# Altium PCB LCD_Board_2.PcbDoc (part 1 of 2)
Units mm, origin at the board's own origin, x right, y up, seen from the top; angles counter-clockwise.
Board outline 96.52 x 66.04 mm, 2 copper layers (Top Layer, Bottom Layer), stack 1.569 mm thick; 78 components, 59 nets, 336 pads, 182 vias.
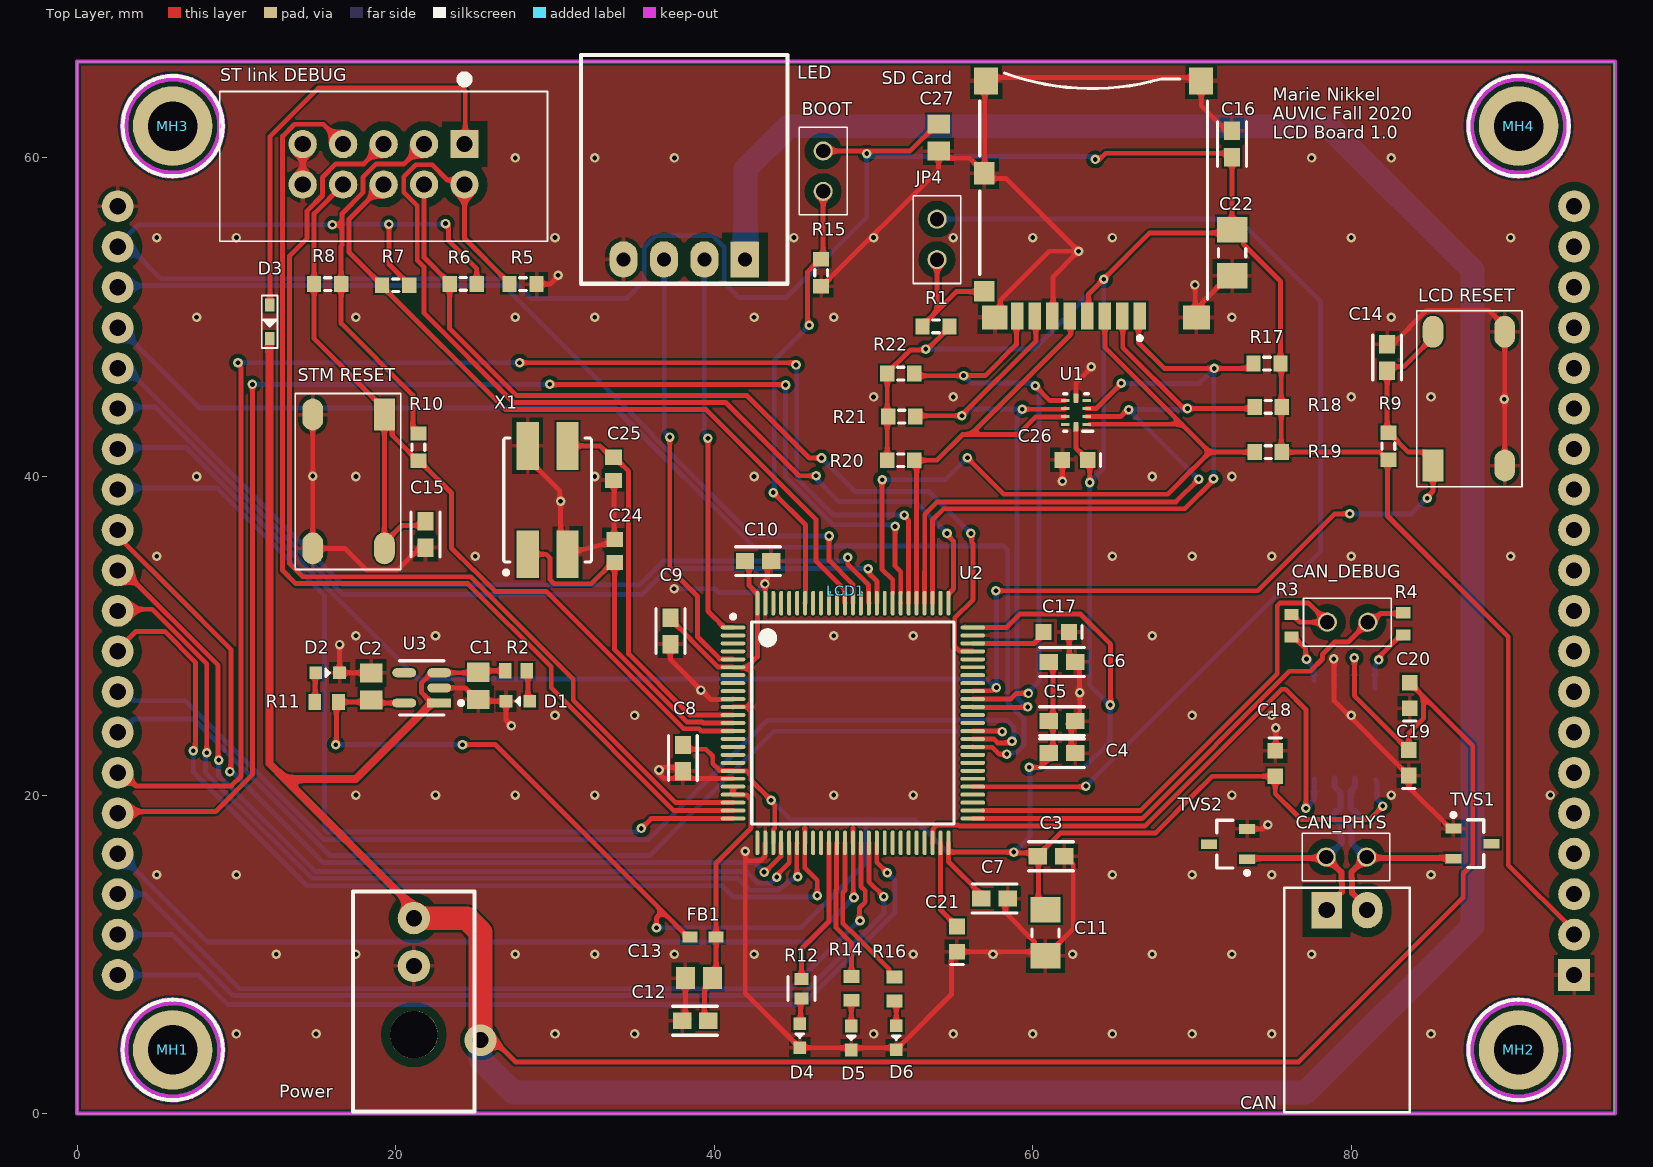
[diagram p0: Top Layer view]
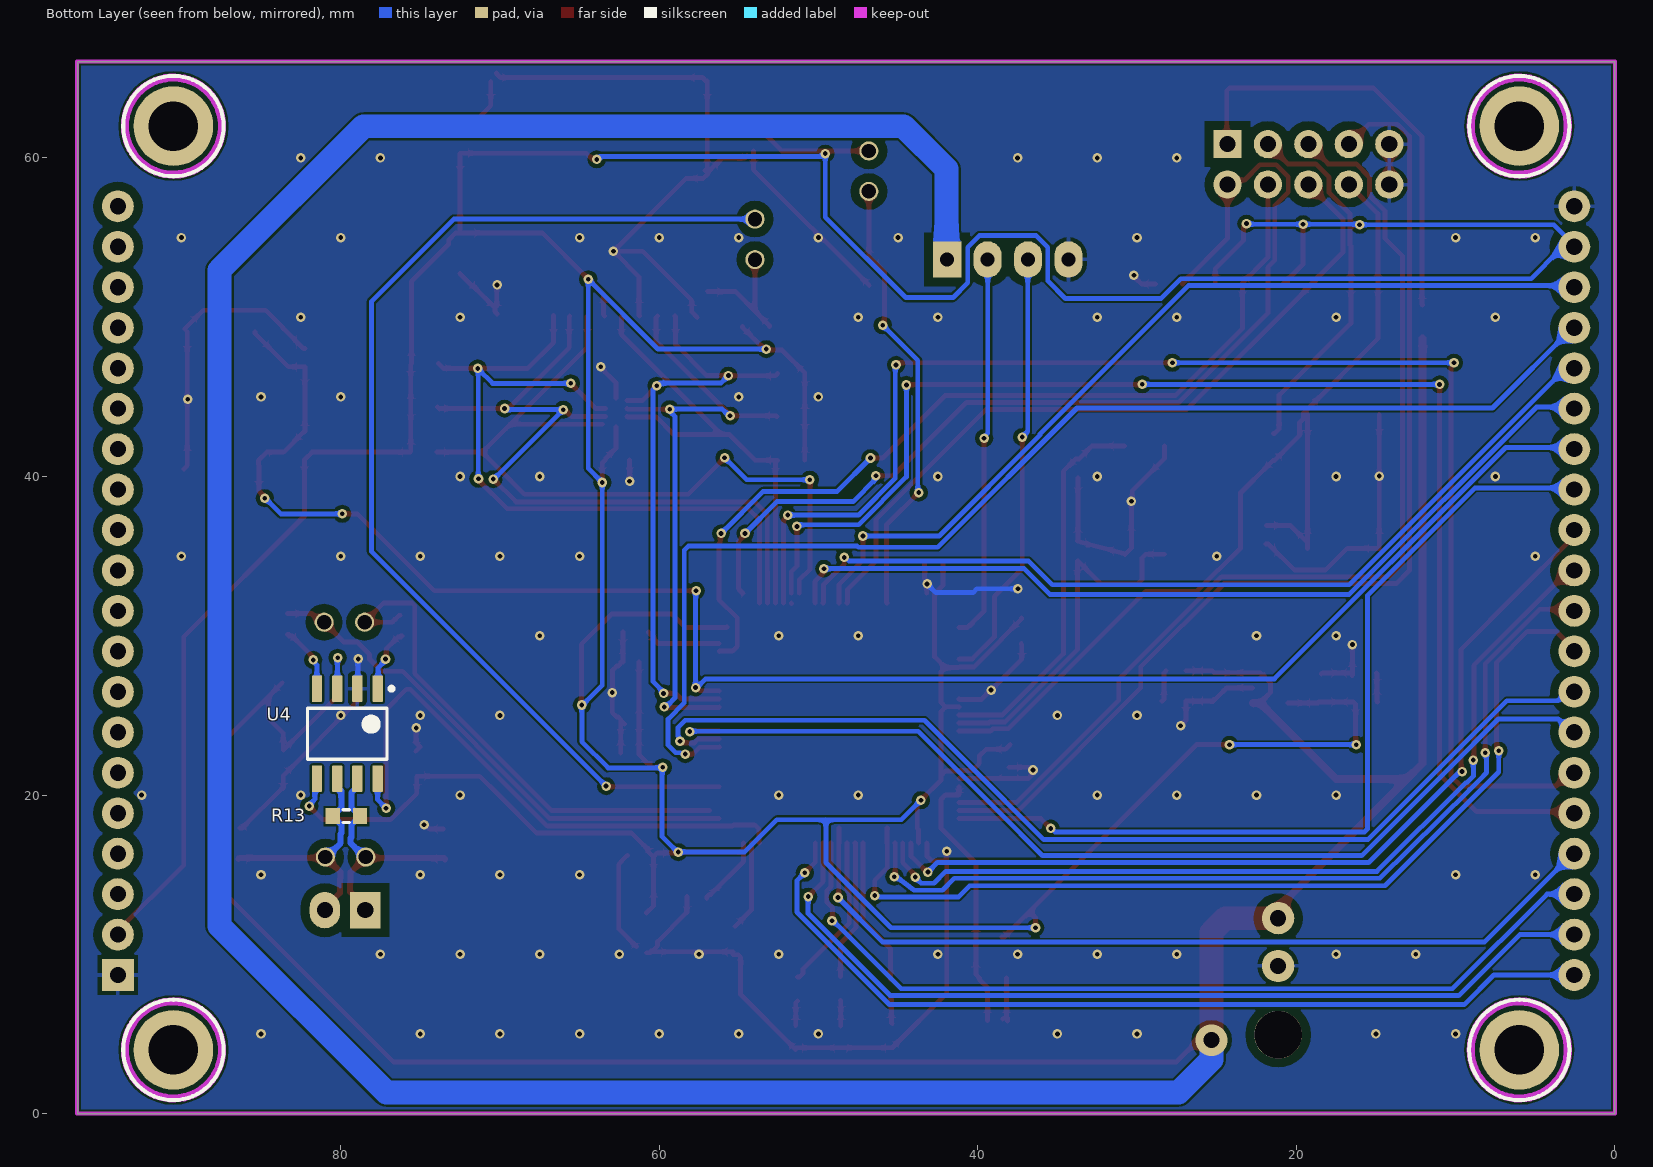
[diagram p1: Bottom Layer view, seen from below]

## Layer stack, top to bottom
Top Solder: solder mask 0.0254, SM-001, Dk 4
Top Layer: signal copper 0.035
Dielectric 1: core 1.4986, Core-043, Dk 4.3
Bottom Layer: signal copper 0.035
Bottom Solder: solder mask 0.0254, SM-001, Dk 4

## Board outline
0,0 0,66.04 96.52,66.04 96.52,0

## Design rules (kind name [scope] priority, off if disabled: settings)
Clearance [All] p1: gap=0.254 ignorepadtopadclearanceinfootprint=TRUE except(0: Arc-Hole Track-Hole SMDPad-Hole THPad-Hole Via-Hole Fill-Hole Poly-Hole Region-Hole Text-Hole; 0.127: Arc-Arc Arc-Track Arc-Fill Arc-Poly Arc-Region Track-Track Track-Fill Track-Poly Track-Region SMDPad-SMDPad SMDPad-Fill SMDPad-Poly SMDPad-Region Fill-Fill Fill-Poly Fill-Region Poly-Poly Poly-Region Region-Region; 0.2: Arc-SMDPad Arc-THPad Track-SMDPad Track-THPad; 0.54: THPad-THPad THPad-Fill THPad-Poly THPad-Region)
ComponentClearance [All] p1: gap=0.254 collisioncheckmode=3 verticalgap=0 showdistances=FALSE
DiffPairsRouting [All] p1: maxlimit=0.254 minlimit=0.254 mostfreqgap=0.254 toplayer_minwidth=0.381 toplayer_maxwidth=0.381 toplayer_prefwidth=0.381 bottomlayer_minwidth=0.381 bottomlayer_maxwidth=0.381 bottomlayer_prefwidth=0.381 substack1={F4272AB1-54B0-470A-9504-83E776850737} toplayer_{f4272ab1-54b0-470a-9504-83e776850737}_minwidth=0.381 toplayer_{f4272ab1-54b0-470a-9504-83e776850737}_maxwidth=0.381 toplayer_{f4272ab1-54b0-470a-9504-83e776850737}_prefwidth=0.381 bottomlayer_{f4272ab1-54b0-470a-9504-83e776850737}_minwidth=0.381 bottomlayer_{f4272ab1-54b0-470a-9504-83e776850737}_maxwidth=0.381 bottomlayer_{f4272ab1-54b0-470a-9504-83e776850737}_prefwidth=0.381 substack2={EA747935-8F46-47CB-AC01-D5D24FED16BF} toplayer_{ea747935-8f46-47cb-ac01-d5d24fed16bf}_minwidth=0.381 toplayer_{ea747935-8f46-47cb-ac01-d5d24fed16bf}_maxwidth=0.381 toplayer_{ea747935-8f46-47cb-ac01-d5d24fed16bf}_prefwidth=0.381 bottomlayer_{ea747935-8f46-47cb-ac01-d5d24fed16bf}_minwidth=0.381 bottomlayer_{ea747935-8f46-47cb-ac01-d5d24fed16bf}_maxwidth=0.381 bottomlayer_{ea747935-8f46-47cb-ac01-d5d24fed16bf}_prefwidth=0.381 substack3={627328DA-F39E-4214-9B17-F8342BBCFC59} toplayer_{627328da-f39e-4214-9b17-f8342bbcfc59}_minwidth=0.381 toplayer_{627328da-f39e-4214-9b17-f8342bbcfc59}_maxwidth=0.381 toplayer_{627328da-f39e-4214-9b17-f8342bbcfc59}_prefwidth=0.381 bottomlayer_{627328da-f39e-4214-9b17-f8342bbcfc59}_minwidth=0.381 bottomlayer_{627328da-f39e-4214-9b17-f8342bbcfc59}_maxwidth=0.381 bottomlayer_{627328da-f39e-4214-9b17-f8342bbcfc59}_prefwidth=0.381 substack4={10BF810F-735D-4ED9-9BE4-32E110BF4F33} toplayer_{10bf810f-735d-4ed9-9be4-32e110bf4f33}_minwidth=0.381 toplayer_{10bf810f-735d-4ed9-9be4-32e110bf4f33}_maxwidth=0.381 toplayer_{10bf810f-735d-4ed9-9be4-32e110bf4f33}_prefwidth=0.381 bottomlayer_{10bf810f-735d-4ed9-9be4-32e110bf4f33}_minwidth=0.381 bottomlayer_{10bf810f-735d-4ed9-9be4-32e110bf4f33}_maxwidth=0.381 bottomlayer_{10bf810f-735d-4ed9-9be4-32e110bf4f33}_prefwidth=0.381 maxuncoupledlength=12.7
HoleSize [All] p1: absolutevalues=TRUE maxlimit=4 minlimit=0.025 maxpercent=80.000 minpercent=20.000
PolygonConnect [All] p1: connectstyle=Relief reliefconductorwidth=0.254 reliefentries=4 polygonreliefangle="90 Angle" airgapwidth=0.254
RoutingVias [All] p1: holewidth=0.3 width=0.6 viastyle="Through Hole" minholewidth=0.2 minwidth=0.45 maxholewidth=1.5 maxwidth=3
SolderMaskExpansion [All] p1: expansion=0.05 istentingtop=FALSE
Width [All] p1: maxlimit=2 minlimit=0.127 preferedwidth=0.305 toplayer_prefwidth=0.305 substack1={F4272AB1-54B0-470A-9504-83E776850737} substack2={EA747935-8F46-47CB-AC01-D5D24FED16BF} substack3={627328DA-F39E-4214-9B17-F8342BBCFC59} substack4={10BF810F-735D-4ED9-9BE4-32E110BF4F33} minimp=50.000000 maximp=50.000000 favimp=50.000000
27 further rules are at their usual default settings.

## Classes and differential pairs
component class U_micro: BOOT C3 C4 C5 C6 C7 C8 C9 C10 C11 C12 C13 C14 C15 C17 C21 C24 C25 D3 D4 D5 D6 FB1 "LCD RESET" MH1 MH2 MH3 MH4 R5 R6 R7 R8 R9 R10 R12 R14 R15 R16 "STM RESET" U2 X1
component class Power: C1 C2 D1 D2 Power R2 R11 U3
component class LED_LCD: C16 C22 C26 C27 JP4 LCD1 LED R1 R17 R18 R19 R20 R21 R22 "SD Card" U1
component class "CAN interface": C18 C19 C20 CAN CAN1 CAN_DEBUG CAN_PHYS J1 R3 R4 R13 TVS1 TVS2 U4
differential pair CAN2: +CAN2_P -CAN2_N

## Components (designator, comment, footprint, x,y, rotation, side; value= is the part's Value field where it differs from the comment)
BOOT "1x2 Male Header" "2X1 Males Header" 46.838,60.439 r270 top (schematic designator JP3)
C1 "CL21B105KBFNNNG" "0803 CAP" 25.187,26.858 r270 top
C2 "CL21B105KBFNNNG" "0803 CAP" 18.456,26.819 r90 top
C3 "CL10B104JB8NNNC" FP-CL10-0_1-IPC_A 61.148,16.158 r180 top
C4 "CL10B104JB8NNNC" FP-CL10-0_1-IPC_A 61.84,22.631 r180 top
C5 "CL10B104JB8NNNC" FP-CL10-0_1-IPC_A 61.84,24.638 r180 top
C6 "CL10B104JB8NNNC" FP-CL10-0_1-IPC_A 61.84,28.359 r180 top
C7 "CL10B104JB8NNNC" FP-CL10-0_1-IPC_A 57.591,13.5 r180 top
C8 "CL10B104JB8NNNC" FP-CL10-0_1-IPC_A 38.031,22.316 r90 top
C9 "CL10B104JB8NNNC" FP-CL10-0_1-IPC_A 37.257,30.293 r90 top
C10 "CL10B104JB8NNNC" FP-CL10-0_1-IPC_A 42.757,34.684 r180 top
C11 "CL31B106KBHNNNE" CAPC3216X180X50ML20T30 60.795,11.348 r90 top
C12 "CL10B104JB8NNNC" FP-CL10-0_1-IPC_A 38.806,5.829 r0 top
C13 "CL21B105KBFNNNG" "0803 CAP" 39.039,8.509 r0 top
C14 "CL10B104JB8NNNC" FP-CL10-0_1-IPC_A 82.245,47.463 r270 top
C15 "CL10B104JB8NNNC" FP-CL10-0_1-IPC_A 21.869,36.351 r90 top
C16 "CL10B104JB8NNNC" FP-CL10-0_1-IPC_A 72.504,60.873 r270 top
C17 "2.2uF, 50V, 0603 SMD, X5R, Ceramic" "CAPC1608N(0603\")" 61.479,30.237 r180 top value=2.2µF
C18 "0.1μF" "CAPC1608N(0603\")" 75.222,21.982 r270 top
C19 "1μF" "CAPC1608N(0603\")" 83.604,22.02 r90 top
C20 "0.1μF" "CAPC1608N(0603\")" 83.668,26.249 r90 top
C21 "2.2uF, 50V, 0603 SMD, X5R, Ceramic" "CAPC1608N(0603\")" 55.232,10.96 r90 top value=2.2µF
C22 "CL31B106KBHNNNE" CAPC3216X180X50ML20T30 72.517,54.044 r90 top
C24 "16pF Ceramic 50V 5% 0603" CAPC1608X90X35ML10T15 33.744,35.316 r270 top
C25 "16pF Ceramic 50V 5% 0603" CAPC1608X90X35ML10T15 33.68,40.485 r90 top
C26 "10 nF, 50V 0603 SMD, Ceramic" "CAPC1608N(0603\")" 62.65,41.045 r180 top value=10nF
C27 "CL21B105KBFNNNG" "0803 CAP" 54.089,61.276 r90 top
CAN "1x2 Shrouded Right Angle" "2X1 Female Header" 78.452,12.776 r90 top (schematic designator CN2)
CAN_DEBUG "1x2 Male Header" "2X1 Males Header" 78.496,30.852 r0 top (schematic designator JP1)
CAN_PHYS "1x2 Male Header" "2X1 Males Header" 78.416,16.107 r0 top (schematic designator JP2)
D1 "LT Q39G-Q1OO-25-1" FP-LB_Q39E-MFG 27.673,25.895 r0 top
D2 "LT Q39G-Q1OO-25-1" FP-LB_Q39E-MFG 15.723,27.673 r180 top
D3 "CUS08F30,H3F" SC-76 12.08,49.717 r270 top
D4 "LSQ976-NR-1" FP-LB_Q39E-MFG 45.364,4.889 r90 top
D5 "LT Q39G-Q1OO-25-1" FP-LB_Q39E-MFG 48.603,4.75 r90 top
D6 "LBQ39E-N1OO-35-1" FP-LB_Q39E-MFG 51.422,4.763 r90 top
FB1 "BLM18AG601SN1D" MURA-BLM18-F-H1-CHIP-2_V 39.291,11.087 r0 top
JP4 "1x2 Male Header" "2X1 Males Header" 53.988,53.618 r90 top
LCD1 "Adafruit 2050" LCD_touchscreen_tft 93.983,8.702 r180 top locked
"LCD RESET" "PTS645SL43SMTR92LFS" 4-SPST-NO 85.128,40.888 r90 top (schematic designator SW1)
LED "Header, Male, 1x4, RA, Pitch 0.1\" (2.54mm)" "HEADER, MALE, SHROUDED, 4x1, PITCH 0.1\" (2.54mm), RA" 41.923,53.627 r270 top (schematic designator CN4)
MH1 "Mount_Hole_3mm" Mount-Hole_3mm 6,4 r0 top locked
MH2 "Mount_Hole_3mm" Mount-Hole_3mm 90.5,4 r0 top locked
MH3 "Mount_Hole_3mm" Mount-Hole_3mm 6,62 r0 top locked
MH4 "Mount_Hole_3mm" Mount-Hole_3mm 90.5,62 r0 top locked
Power "Header, Female, 1x2, Right Angle, Pitch 0.118\" (3.00mm), THT" "New footprint 1" 21.14,9.271 r180 top (schematic designator CN1)
R1 "10kR, 1%, 1/10W, 0603 SMD" "RESC1608N(0603\")" 53.923,49.427 r0 top value=10k
R2 "ERJ-3EKF5360V" RESC1608X55X30NL15T15 27.556,27.8 r0 top
R3 "RC0603FR-0733RL" RESC1608X55X25NL10T15 76.238,30.632 r270 top
R4 "RC0603FR-0733RL" RESC1608X55X25NL10T15 83.252,30.748 r270 top
R5 "10kR, 1%, 1/10W, 0603 SMD" "RESC1608N(0603\")" 27.992,52.083 r0 top value=10k
R6 "10kR, 1%, 1/10W, 0603 SMD" "RESC1608N(0603\")" 24.234,52.095 r0 top value=10k
R7 "10kR, 1%, 1/10W, 0603 SMD" "RESC1608N(0603\")" 19.991,52.006 r0 top value=10k
R8 "10kR, 1%, 1/10W, 0603 SMD" "RESC1608N(0603\")" 15.723,52.083 r0 top value=10k
R9 "10kR, 1%, 1/10W, 0603 SMD" "RESC1608N(0603\")" 82.321,41.898 r270 top value=10k
R10 "10kR, 1%, 1/10W, 0603 SMD" "RESC1608N(0603\")" 21.425,41.846 r90 top value=10k
R11 "RC0603FR-07110RL" RESC1608X55X25ML10T15 15.662,25.842 r180 top
R12 "CRCW0603330RFKEA" FP-CRCW0603-e3-IPC_C 45.479,7.841 r270 top
R13 "1k" "RESC1608N(0603\")" 79.638,18.677 r180 bottom
R14 "RC0603FR-07110RL" RESC1608X55X25ML10T15 48.616,7.862 r270 top
R15 "10kR, 1%, 1/10W, 0603 SMD" "RESC1608N(0603\")" 46.711,52.795 r90 top value=10k
R16 "RC0603FR-07110RL" RESC1608X55X25ML10T15 51.308,7.824 r270 top
R17 "10kR, 1%, 1/10W, 0603 SMD" "RESC1608N(0603\")" 74.702,47.092 r0 top value=10k
R18 "10kR, 1%, 1/10W, 0603 SMD" "RESC1608N(0603\")" 74.778,44.374 r0 top value=10k
R19 "10kR, 1%, 1/10W, 0603 SMD" "RESC1608N(0603\")" 74.789,41.529 r0 top value=10k
R20 "10kR, 1%, 1/10W, 0603 SMD" "RESC1608N(0603\")" 51.714,41.021 r180 top value=10k
R21 "10kR, 1%, 1/10W, 0603 SMD" "RESC1608N(0603\")" 51.764,43.764 r180 top value=10k
R22 "10kR, 1%, 1/10W, 0603 SMD" "RESC1608N(0603\")" 51.714,46.457 r180 top value=10k
"SD Card" "502774-0891" MOLX-502774-0891_V 63.816,57.457 r180 top (schematic designator CD1)
"ST link DEBUG" "ST Debug Header 10-pin THT" "10-pin shrouded header THT" 24.32,60.871 r180 top (schematic designator CN3)
"STM RESET" "PTS645SL43SMTR92LFS" 4-SPST-NO 19.291,43.688 r270 top (schematic designator SW2)
TVS1 "PESD36VS2UT,215" SOT95P245X110-3N 87.607,16.949 r0 top
TVS2 "PESD36VS2UT,215" SOT95P245X110-3N 72.25,16.92 r180 top
U1 "TPD6E001RSER" RSE0010A_V 62.706,44.018 r180 top
U2 "STM32F429VGT6" STM-LQFP100_L 48.704,24.524 r0 top
U3 "TLV75533PDBVR" FP-DBV0005A-IPC_B 21.631,26.731 r180 top
U4 "CAN Transceiver" 8-SOIC 79.583,23.851 r270 bottom
X1 "CRYSTAL 8.0MHZ 16PF SMD" QFN250P750X520X140_HS-5M 29.535,38.523 r90 top

## Footprints (in the part's own frame and the unit in brackets; to place one, negate y for a bottom-side part, rotate by r counter-clockwise, add the part's x,y. Pads: shape width x height; smd on the part's side, far side on the other; paste and mask are expansions set on the pad)
"2X1 Female Header" [mil]
  rect 90x75 hole 40: 1(0,0)
  oval 90x75 hole 40: 2(0,-100)
  silkscreen extent -500,-205 55,105, body extent -495,-200 40,100, height 273
"2X1 Males Header" [mm]
  round 1.2 hole 0.9: 1(0,0) 2(2.54,0)
  silkscreen extent -1.5,-1.5 4,1.5, body extent -1.27,-1.24 3.81,1.25, height 8.54
4-SPST-NO [mm]
  rect 2x1.3 smd: 1(-0.2,0)
  oval 2x1.3 smd: 2(8.2,0) 3(-0.2,-4.5) 4(8.2,-4.5)
  silkscreen extent -1.52,-5.59 9.53,1.02, body extent -0.56,-5.29 8.44,0.71, height 5
8-SOIC [mm] "SOIC, 8-Leads, Body 5x4mm, Pitch 1.27mm, IPC Low Density"
  rrect15% 1.65x0.65 smd: 1(-2.825,1.905) 2(-2.825,0.635) 3(-2.825,-0.635) 4(-2.825,-1.905) 5(2.825,-1.905) 6(2.825,-0.635) 7(2.825,0.635) 8(2.825,1.905)
  silkscreen extent -2.95,-2.5 1.6,2.9, body extent -3,-2.45 3,2.45, height 1.63
"10-pin shrouded header THT" [mil]
  rect 70x70 hole 40: 1(0,0)
  round 70 hole 40: 2(100,0) 3(200,0) 4(300,0) 5(400,0) 6(0,100) 7(100,100) 8(200,100) 9(300,100) 10(400,100)
  silkscreen extent -205,-170 605,240, body extent -198,-124 598,234, height 358
"0803 CAP" [mm] "Chip Capacitor, 2-Leads, Body 2.00x1.25mm, IPC Medium Density"
  rect 1.2x1.4 smd: 1(-0.85,0) 2(0.85,0)
  body extent -1.05,-0.67 1.05,0.67, height 1.25
"CAPC1608N(0603\")" [mm] "Chip Capacitor, Body 1.6x0.8mm (0603\"), IPC Medium Density"
  rect 1x1 smd: 1(-0.8,0) 2(0.8,0)
  silkscreen extent -1.6,-0.4 -1.6,0.4, body extent -0.8,-0.4 0.8,0.4, height 0.9
CAPC1608X90X35ML10T15 [mm] "Chip Capacitor, 2-Leads, Body 1.60x0.80mm, IPC Low Density"
  rect 0.95x1.05 smd: 1(-0.725,0) 2(0.725,0)
  body extent -0.85,-0.45 0.85,0.45, height 0.9
CAPC3216X180X50ML20T30 [mm] "Chip Capacitor, 2-Leads, Body 3.4x1.8mm, IPC Low Density"
  rect 1.6x1.9 smd: 1(-1.45,0) 2(1.45,0)
  silkscreen extent -0.25,-0.85 0.25,0.85, body extent -1.7,-0.9 1.7,0.9, height 1.8
FP-CL10-0_1-IPC_A [mm]
  rect 1.158x1.012 smd paste+0 mask+0: 1(-0.827,0) 2(0.827,0)
  silkscreen extent -1.41,-0.91 1.41,0.91, body extent -1.91,-1.01 1.91,1.01, height 0.25
FP-CRCW0603-e3-IPC_C [mm]
  rect 0.735x0.862 smd: 1(-0.615,0) 2(0.615,0)
  silkscreen extent -0.75,-0.85 0.75,0.85, body extent -1.08,-0.58 1.08,0.58, height 0.25
FP-DBV0005A-IPC_B [mm]
  rect 1.505x0.572 smd: 1(-1.1,0.95)
  rrect100% 1.505x0.572 smd: 2(-1.1,0) 3(-1.1,-0.95) 4(1.1,-0.95) 5(1.1,0.95)
  silkscreen extent -2.6,-1.7 1.4,1.7, body extent -2.1,-1.7 2.1,1.7, height 0.25
FP-LB_Q39E-MFG [mm]
  rect 0.8x0.8 smd: 1(-0.75,0) 2(0.75,0)
  silkscreen extent -0.13,-0.25 0.13,0.25, body extent -1.25,-0.55 1.25,0.55, height 0.25
"HEADER, MALE, SHROUDED, 4x1, PITCH 0.1\" (2.54mm), RA" [mil]
  rect 90x70 hole 35: 1(0,0)
  oval 90x70 hole 35: 2(0,-100) 3(0,-200) 4(0,-300)
  silkscreen extent -505,-405 60,105, body extent -495,-397 40,97, height 270
LCD_touchscreen_tft [mm]
  rect 2x2 hole 1.02: 1(0,0)
  round 2 hole 1.02: 2(0,-2.54) 3(0,-5.08) 4(0,-7.62) 5(0,-10.16) 6(0,-12.7) 7(0,-15.24) 8(0,-17.78) 9(0,-20.32) 10(0,-22.86) 11(0,-25.4) 12(0,-27.94) 13(0,-30.48) 14(0,-33.02) 15(0,-35.56) 16(0,-38.1) 17(0,-40.64) 18(0,-43.18) 19(0,-45.72) 20(0,-48.26) 21(91.44,-48.26) 22(91.44,-45.72) 23(91.44,-43.18) 24(91.44,-40.64) 25(91.44,-38.1) 26(91.44,-35.56) 27(91.44,-33.02) 28(91.44,-30.48) 29(91.44,-27.94) 30(91.44,-25.4) 31(91.44,-22.86) 32(91.44,-20.32) 33(91.44,-17.78) 34(91.44,-15.24) 35(91.44,-12.7) 36(91.44,-10.16) 37(91.44,-7.62) 38(91.44,-5.08) 39(91.44,-2.54) 40(91.44,0)
  body extent -3.3,-50.42 93.85,3.56, height 11.21
MOLX-502774-0891_V [mm] "SMD, 14-Leads, Body 15x14.3mm, Pitch 1.1mm"
  rect 0.8x1.68 smd: 1(-2.9,7.385) 2(-1.8,7.385) 3(-0.7,7.385) 4(0.4,7.385) 5(1.5,7.385) 6(2.6,7.385) 7(3.7,7.385) 8(4.8,7.385)
  rect 1.29x1.3 smd: 9(6.855,5.825)
  rect 1.29x1.4 smd: 10(6.855,-1.575)
  rect 1.5x1.7 smd: 11(6.75,-7.375) 12(-6.75,-7.375)
  rect 1.7x1.5 smd: 13(-6.45,7.475)
  rect 1.6x1.5 smd: 14(6.21,7.475)
  silkscreen extent -7.15,-7.88 7.15,8.9, body extent -7.15,-8 7.15,8, height 1.78
Mount-Hole_3mm [mm]
  round 5 hole 3.1: 1(0,0)
  Keep-Out Layer circle w0.508: c0,0 r3.048
  silkscreen extent -3.15,-3.15 3.15,3.15, body extent -2.25,-2.6 2.25,2.6, height 4.19
MURA-BLM18-F-H1-CHIP-2_V [mm] "Chip Ferrite Bead, 2-Leads, Body 1.6x0.8mm, Height 0.95mm, Flow"
  rect 0.95x0.7 smd: 1(-0.825,0) 2(0.825,0)
  body extent -0.8,-0.4 0.8,0.4, height 0.95
"New footprint 1" [mil]
  round 80 hole 40: 1(0,0) 2(0,-118)
  round 118 hole 118 unplated: None(0,170.08)
  silkscreen extent -150,-184 150,360, body extent -140,-131 141,351, height 338
QFN250P750X520X140_HS-5M [mm] "QFN, 4-Leads, Body 7.50x5.20mm, Pitch 2.50mm, Thermal Pad 4.10x1.10mm, IPC Low Density"
  rect 3x1.4 smd: 1(-3.4,1.25) 2(-3.4,-1.25) 3(3.4,-1.25) 4(3.4,1.25)
  silkscreen extent -4.67,-2.75 3.9,2.75, body extent -3.75,-2.6 3.75,2.6, height 1.4
"RESC1608N(0603\")" [mm] "Chip Resistor, Body 1.6x0.8mm (0603\"), IPC Medium Density"
  rect 0.9x1 smd: 1(-0.85,0) 2(0.85,0)
  silkscreen extent -0.2,-0.4 0.2,0.4, body extent -0.77,-0.42 0.78,0.43, height 0.44
RESC1608X55X25ML10T15 [mm] "Chip Resistor, 2-Leads, Body 1.60x0.80mm, IPC Low Density"
  rect 0.8x1 smd: 1(-0.75,0) 2(0.75,0)
  body extent -0.85,-0.45 0.85,0.45, height 0.55
RESC1608X55X25NL10T15 [mm] "Chip Resistor, 2-Leads, Body 1.70x0.90mm, IPC Medium Density"
  rect 0.7x0.9 smd: 1(-0.7,0) 2(0.7,0)
  body extent -0.85,-0.45 0.85,0.45, height 0.55
RESC1608X55X30NL15T15 [mm] "Chip Resistor, 2-Leads, Body 1.60x0.80mm, IPC Medium Density"
  rect 0.8x0.95 smd: 1(-0.675,0) 2(0.675,0)
  body extent -0.87,-0.48 0.87,0.48, height 0.55
RSE0010A_V [mm] "QFN, 10-Leads, Body 1.5x2mm, Pitch 0.5mm, TI Recommended"
  rrect50% 0.55x0.2 smd: 1(-0.675,0.75) 2(-0.675,0.25) 3(-0.675,-0.25) 4(-0.675,-0.75) 6(0.675,-0.75) 7(0.675,-0.25) 8(0.675,0.25) 9(0.675,0.75)
  rrect33% 0.3x0.6 smd: 5(0,-0.9) 10(0,0.9)
  silkscreen extent -1.07,-1.17 0.77,1.18, body extent -0.77,-1.02 0.78,1.03, height 0.61
SC-76 [mm]
  rect 0.8x0.6 smd: A(-1.05,0) K(1.05,0)
  silkscreen extent -1.65,-0.5 1.65,0.5, body extent -1.25,-0.65 1.25,0.6, height 0.9
SOT95P245X110-3N [mm] "SOT23, 3-Leads, Body 2.90x2.45mm, Pitch 0.95mm, IPC Medium Density"
  rect 1x0.6 smd: 1(-1.2,0.95) 2(-1.2,-0.95) 3(1.2,0)
  silkscreen extent -1.32,-1.5 0.7,1.92, body extent -1.3,-1.5 1.3,1.5, height 1.1
STM-LQFP100_L [mm] "Thin QFP, 100-Leads, Body 14x14mm, Pitch 0.5mm, IPC High Density"
  oval 1.55x0.25 smd: 1(-7.525,6) 2(-7.525,5.5) 3(-7.525,5) 4(-7.525,4.5) 5(-7.525,4) 6(-7.525,3.5) 7(-7.525,3) 8(-7.525,2.5) 9(-7.525,2) 10(-7.525,1.5) 11(-7.525,1) 12(-7.525,0.5) 13(-7.525,0) 14(-7.525,-0.5) 15(-7.525,-1) 16(-7.525,-1.5) 17(-7.525,-2) 18(-7.525,-2.5) 19(-7.525,-3) 20(-7.525,-3.5) 21(-7.525,-4) 22(-7.525,-4.5) 23(-7.525,-5) 24(-7.525,-5.5) 25(-7.525,-6) 51(7.525,-6) 52(7.525,-5.5) 53(7.525,-5) 54(7.525,-4.5) 55(7.525,-4) 56(7.525,-3.5) 57(7.525,-3) 58(7.525,-2.5) 59(7.525,-2) 60(7.525,-1.5) 61(7.525,-1) 62(7.525,-0.5) 63(7.525,0) 64(7.525,0.5) 65(7.525,1) 66(7.525,1.5) 67(7.525,2) 68(7.525,2.5) 69(7.525,3) 70(7.525,3.5) 71(7.525,4) 72(7.525,4.5) 73(7.525,5) 74(7.525,5.5) 75(7.525,6)
  oval 0.25x1.55 smd: 26(-6,-7.525) 27(-5.5,-7.525) 28(-5,-7.525) 29(-4.5,-7.525) 30(-4,-7.525) 31(-3.5,-7.525) 32(-3,-7.525) 33(-2.5,-7.525) 34(-2,-7.525) 35(-1.5,-7.525) 36(-1,-7.525) 37(-0.5,-7.525) 38(0,-7.525) 39(0.5,-7.525) 40(1,-7.525) 41(1.5,-7.525) 42(2,-7.525) 43(2.5,-7.525) 44(3,-7.525) 45(3.5,-7.525) 46(4,-7.525) 47(4.5,-7.525) 48(5,-7.525) 49(5.5,-7.525) 50(6,-7.525) 76(6,7.525) 77(5.5,7.525) 78(5,7.525) 79(4.5,7.525) 80(4,7.525) 81(3.5,7.525) 82(3,7.525) 83(2.5,7.525) 84(2,7.525) 85(1.5,7.525) 86(1,7.525) 87(0.5,7.525) 88(0,7.525) 89(-0.5,7.525) 90(-1,7.525) 91(-1.5,7.525) 92(-2,7.525) 93(-2.5,7.525) 94(-3,7.525) 95(-3.5,7.525) 96(-4,7.525) 97(-4.5,7.525) 98(-5,7.525) 99(-5.5,7.525) 100(-6,7.525)
  silkscreen extent -7.65,-6.35 6.35,6.8, body extent -7,-7 7,7, height 1.6

## Part data
BOOT CAN_DEBUG CAN_PHYS JP4: library part CMP-004-0001-1, Component Type=Standard, Design Item ID="1x2 Male Header", Made By="Andy Bates", Pin Count=2, Source=AUVic_Schematic_Library_Connectors.SchLib
C1 C2 C13 C27: library part CMP-00005-3, "SAMSUNG ELECTRO-MECHANICS - CL21B105KBFNNNG - MLCC CAPACITORS", Capacitance=1uF, Case Code (Imperial)=0805, Case Code (Metric)=2012, Dielectric=X7R, Max Operating Temperature=125°C, Min Operating Temperature=-55°C, Package Quantity=3000, Tolerance=10%, Voltage=50V, Case/Package=0805, Contact Plating=Tin, Depth=1.25mm, Length=2mm, Material=Ceramic, Mount="Surface Mount", Packaging="Tape and Reel", Termination=Wraparound, Thickness=0.053inch, Voltage Rating=50V, Width=0.049inch
C3: library part CMP-00000-4, "CAP CER 0.1UF 50V X7R 0603", Capacitance=0.1uF, Case Code (Imperial)=0603, Case Code (Metric)=1608, Dielectric=X7R, Max Operating Temperature=125°C, Min Operating Temperature=-55°C, Package Quantity=1, Tolerance=5%, Voltage=50V, Case/Package=0603, Contact Plating=Tin, Depth=0.8mm, Height=0.8mm, Length=1.6mm, Material=Ceramic, Mount="Surface Mount", Packaging="Tape and Reel", Radiation Hardening=No, Thickness=0.035inch, Voltage Rating=50V, Width=0.031inch
C4 C5 C6 C7 C8 C9 C10 C12 C14 C15 C16: library part CMP-00000-3, "CAP CER 0.1UF 50V X7R 0603", Capacitance=0.1uF, Case Code (Imperial)=0603, Case Code (Metric)=1608, Dielectric=X7R, Max Operating Temperature=125°C, Min Operating Temperature=-55°C, Package Quantity=1, Tolerance=5%, Voltage=50V, Case/Package=0603, Contact Plating=Tin, Depth=0.8mm, Height=0.8mm, Length=1.6mm, Material=Ceramic, Mount="Surface Mount", Packaging="Tape and Reel", Radiation Hardening=No, Thickness=0.035inch, Voltage Rating=50V, Width=0.031inch
C11 C22: library part CMP-00004-1, "Cap Ceramic 10uF 50V X7R 10% Pad SMD 1206 125°C T/R", Capacitance=10uF, Case Code (Imperial)=1206, Case Code (Metric)=3216, Dielectric=X7R, Max Operating Temperature=125°C, Min Operating Temperature=-55°C, Tolerance=10%, Voltage Rating=50V, Case/Package=1206, Lead Free="Lead Free", Length=0.126inch, Mount="Surface Mount", Packaging="Tape and Reel", Thickness=0.071inch, Voltage Rating (DC)=50V, Width=0.063inch
C17 C21: library part CMP-006-0030-1, "Capacitor, Ceramic, 50V, 10%, 0603 SMD, X5R", Component Type=Standard, Design Item ID="2.2uF, 50V, 0603 SMD, X5R, Ceramic", PackageDescription="Chip Capacitor", Pin Count=2, Publisher=AUVic, Source=AUVic_Schematic_Library_Capacitors.SchLib
C18 C20: library part "0.1uF 16V 0603 SMD, Ceramic", "Capacitor, Ceramic, 16V, +/- 10%, 0603 SMD, X7R", Supplier Part Number 1=1276-1005-1-ND, Created By="Andy Bates", PackageDescription="Chip Capacitor", Published=16-04-26, Publisher=AUVic, Supplier 1=Digi-Key
C19: library part "1uF 50V 0603 SMD, Ceramic", "Capacitor, Ceramic, 50V, +/- 10%, 0603 SMD, X5R", Supplier Part Number 1=1276-1860-1-ND, Created By="Lyden Smith", Date Created=2017-10-26, PackageDescription="Chip Capacitor", Supplier 1=Digi-Key
C24 C25: library part CMP-00087-2, "Cap Ceramic 16pF 50V C0G 5% SMD 0603 125C Paper T/R", Capacitance=16pF, Case Code (Imperial)=0603, Case Code (Metric)=1608, Dielectric=C0G, Max Operating Temperature=125°C, Min Operating Temperature=-55°C, Package Quantity=1, Temperature Coefficient=30ppm/°C, Tolerance=5%, Voltage=50V, Case/Package=0603, Depth=0.8mm, Height=0.8mm, Lead Free="Lead Free", Length=1.6mm, Mount="Surface Mount", Packaging="Tape and Reel", Radiation Hardening=No, Termination=SMD/SMT, Thickness=0.035inch, Voltage Rating=50V, Voltage Rating (DC)=50V, Width=0.8mm
C26: library part CMP-006-0010-1, "Capacitor, Ceramic, 50V, +/- 10%, 0603 SMD", Component Type=Standard, Created By=Gabriel, Design Item ID="10 nF, 50V 0603 SMD, Ceramic", MFG=Samsung, MFG#=GRM188R61A475KE15D, PackageDescription="Chip Capacitor", Pin Count=2, Published=16-06-23, Publisher=AUVic, Source=AUVic_Schematic_Library_Capacitors.SchLib
CAN: library part CMP-00010-3, "02 MTE HDR SRRA LATCH", Color=Black, Contact Current Rating=3A, Contact Resistance=15mR, Flammability Rating="UL94 V-0", Insulation Resistance=5GR, Max Operating Temperature=105°C, Min Operating Temperature=-65°C, Package Quantity=68, Approvals=CSA, Backwall/Post Interruptions="No (Without)", Connector Type=Plug,Header,Pin, Contact Gender=Male, Contact Material=Brass, Contact Mating Length=0.23inch, Contact Plating=Gold,Tin,Matte, Contact Retention="Yes (With)", Contact Shape=Square, Current Rating=3A, Depth=13.59mm, ELV=Compliant, Gender=Male, Height=13.59mm, Housing Color=Black, Housing Material=Thermoplastic, Lead Free="Lead Free", Length=7.62mm, Mating Alignment="Yes (With)", Mating Retention="Yes (With)", Mount="Through Hole", Number of Contacts=2, Number of Positions=2, Number of Rows=1, Orientation="Right Angle", Packaging=Rail/Tube, PCB Mount Alignment="No (Without)", PCB Mount Retention=Without, PCB Mounting Orientation="Right Angle", PCB Thickness=0.062inch, Pitch=2.54mm, REACH SVHC=Unknown, Row Spacing=0.1inch, Strain Relief="No (Without)", Tail Length=3.3mm, Termination=Crimp
D1 D2 D5: library part CMP-00064-3, "LED GREEN DIFFUSED 0603 SMD", Case/Package=SMD/SMT, Color=Green, Forward Current=15mA, Forward Voltage=2.85V, Max Operating Temperature=85°C, Min Operating Temperature=-40°C, Reverse Voltage=5V, Test Current=5mA, Depth=0.9mm, Dominant Wavelength=530nm, Length=1.7mm, Lens Style=Diffused,Colorless,Rectangular, Luminous Flux=0.55lm, Luminous Intensity=280mcd, Mount="Surface Mount", Number of Elements=1, Number of LEDs=1, Number of Pins=2, Packaging="Tape and Reel", Radiation Hardening=No
D3: library part CMP-057-0000-2, "Diode Schottky 30V 800mA Surface Mount USC", Average Rectified Current=800mA, Case/Package=SOD, Max Operating Temperature=125°C, Max Repetitive Reverse Voltage (Vrrm)=30V, Min Operating Temperature=-55°C, Peak Non-Repetitive Surge Current=5A, Peak Reverse Current=50uA, Contact Plating=Tin,Silver, Element Configuration=Single, Max Reverse Voltage (DC)=30V, Mount="Surface Mount", Number of Pins=2, Packaging="Tape and Reel"
D4: library part CMP-00066-2, "LED Red 645nm 2-Pin Chip 0603(1608Metric) T/R", Case Code (Imperial)=0603, Case Code (Metric)=1608, Color=Red, Forward Current=25mA, Forward Voltage=2.5V, Lens Color=White, Max Operating Temperature=85°C, Min Operating Temperature=-30°C, Package Quantity=1, Power Dissipation=65mW, Reverse Voltage=12V, Test Current=20mA, Case/Package=0603, Depth=0.9mm, Dominant Wavelength=633nm, Height=0.8mm, Illumination Color=Red, Length=1.7mm, Lens Size=0.8mm, Lens Style=Diffused,Flat,Colorless,Rectangular, Lens Transparency=Diffused, Luminous Flux=0.33lm, Luminous Intensity=180mcd, Mount="Surface Mount", Number of Elements=1, Number of LEDs=1, Number of Pins=2, Packaging="Tape and Reel", Radiation Hardening=No, Viewing Angle=160°, Width=0.8mm
D6: library part CMP-00063-3, "LED BLUE DIFFUSED 0603 SMD", Case Code (Imperial)=0603, Case Code (Metric)=1608, Color=Blue, Forward Voltage=2.85V, Lens Color=White, Test Current=5mA, Case/Package=0603, Dominant Wavelength=470nm, Height=0.4mm, Length=1.6mm, Lens Size=0.8mm, Lens Style=Flat,Diffused,Colorless,Rectangular, Lens Transparency=Diffused, Luminous Flux=0.13lm, Luminous Intensity=42mcd, Mount="Surface Mount", Number of LEDs=1, Number of Pins=2, Packaging="Tape and Reel", Radiation Hardening=No, Viewing Angle=130°, Width=0.8mm
FB1: library part CMP-00016-1, "MURATA - BLM18AG601SN1D - Feritový Korálek, 0603 / 1608, 600 ohm, 500 mA, Série BLM18A, 0.38 ohm, ± 25%", Case Code (Imperial)=0603, Case Code (Metric)=1608, Current Rating=500mA, DC Resistance (DCR)=380mR, Frequency=100MHz, Max Operating Temperature=125°C, Min Operating Temperature=-55°C, Package Quantity=1, Tolerance=25%, Case/Package=0603, Core Material=Ferrite, DC Current=500mA, Depth=0.8mm, Height=0.8mm, Impedance=600R, Lead Free="Lead Free", Length=1.6mm, Material=Steel,Ferrite, Max Current Rating=500mA, Max DC Current=500mA, Military Standard=Not, Number of Circuits=1, Number of Lines=1, Number of Pins=2, Packaging="Tape and Reel", Radiation Hardening=No, REACH SVHC="No SVHC", Shielding=Unshielded, Termination=SMD/SMT, Test Frequency=100MHz, Weight=7.1E-05oz, Width=0.8mm
LCD1: library part CMP-033-0000-6, "3.5\" TFT 320X480 TOUCHSCREEN", Component Type=Standard, ComponentLink1Description=Adafruit, ComponentLink1URL=https://www.adafruit.com/product/1743, ComponentLink2Description=Datasheet, ComponentLink2URL=https://cdn-shop.adafruit.com/datasheets/ILI9341.pdf, ComponentLink3Description="Raw LCD Datasheet", ComponentLink3URL=https://cdn-shop.adafruit.com/datasheets/MI0283QT-11+V1.1.PDF, ComponentLink4Description=DigiKey, ComponentLink4URL=https://www.digikey.ca/products/en/optoelectronics/display-modules-lcd-oled-graphic/107?k=&pkeyword=&pv652=165&FV=ffe0006b%2Cfffc05f8&quantity=0&ColumnSort=0&page=1&pageSize=25, ComponentLink5Description="Adafruit Guide", ComponentLink5URL=https://cdn-learn.adafruit.com/downloads/pdf/adafruit-2-dot-8-color-tft-touchscreen-breakout-v2.pdf, Design Item ID="Adafruit 2050", Pin Count=40, Source=AUVic_Integrated_Library_LCDs.SchLib
"LCD RESET" "STM RESET": library part CMP-00077-1, "Black Switch Tactile N.O. SPST Round Button Gull Wing 0.05A 12VDC 100000Cycles 1.27N SMD T/R", Button Colour=Black, Contact Resistance=100mR, Current Rating=50mA, Max Operating Temperature=60°C, Max Voltage Rating (DC)=12V, Min Operating Temperature=-20°C, Operating Force=1.27N, Package Quantity=1000, Actuator Length=0.85mm, Actuator Material=Nylon,Polyamide, Actuator Type=Standard, Color=Black, Contact Material=Bronze,Brass,Silver, Contact Plating=Silver, Depth=9mm, Illumination Type=Non-Illuminated, Lead Free="Lead Free", Length=6mm, Max Current Rating=50mA, Mechanical Life=100000Cycles, Mount="Surface Mount", Orientation=Straight, Packaging="Tape and Reel", Switch Function=Off-Mom, Termination="Gull Wing", Throw Configuration=SPST, Voltage Rating (DC)=12V
LED: library part CMP-005-0029-3, "Connector Header Through Hole, Right Angle 4 position 0.100\" (2.54mm)", Component Type=Standard, Created By="Miguel Manguerra", Created On=2020-05-20, Design Item ID="Header, Male, 1x4, RA, Pitch 0.1\" (2.54mm)", Pin Count=4, Source=AUVic_Schematic_Library_Connectors.SchLib
MH1 MH2 MH3 MH4: library part CMP-004-0010-4, "Mounting hold for M3 hex standoff", Component Type=Standard, Design Item ID=Mount_Hole_3mm, Pin Count=1, Source=AUVic_Schematic_Library_Connectors.SchLib
Power: library part CMP-00001-4, "Connector Header Through Hole, Right Angle 2 position", Case/Package=SMC, Color=Black, Contact Resistance=10mR, Current Rating=5A, Flammability Rating="UL94 V-0", Insulation Resistance=1GR, Max Operating Temperature=105°C, Max Voltage Rating (DC)=250.25kV, Min Operating Temperature=-40°C, Package Quantity=3168, Voltage Rating=600V, Voltage Rating (DC)=250V, Contact Material=Brass, Contact Plating=Gold, Depth=12.2mm, Diameter=3mm, Gender=Male, Glow Wire Compliant=Compliant, Halogen Free="Low Halogen", Height=8.77mm, Housing Color=Black, Housing Material=Thermoplastic, Lead Free="Contains Lead", Length=7.15mm, Max Current Rating=5A, Mount="Through Hole", Number of Circuits=2, Number of Contacts=2, Number of Positions=2, Number of Rows=2, Orientation="Right Angle", Packaging=Tray, Pitch=3mm, Radiation Hardening=No, Termination=Solder
R1 R5 R6 R7 R8 R9 R10 R15 R17 R18 R19 R20 R21 R22: library part CMP-047-0013-1, Component Type=Standard, Created On=14-05-31, Design Item ID="10kR, 1%, 1/10W, 0603 SMD", Last Edited=14-05-31, Made By="Ashwin Sira", Owned By=AUVic, Pin Count=2, Source=AUVic_Schematic_Library_Resistors.SchLib
R2: library part CMP-00071-1, "SMD Chip Resistor, 0603 [1608 Metric], 536 ohm, ERJ3EK Series, 75 V, Thick Film, 100 mW", Case Code (Imperial)=0603, Case Code (Metric)=1608, Max Operating Temperature=155°C, Max Power Dissipation=100mW, Min Operating Temperature=-55°C, Package Quantity=1, Resistance=536R, Temperature Coefficient=100ppm/°C, Tolerance=1%, Voltage Rating=75V, Voltage Rating (DC)=50V, Case/Package=0603, Composition="Thick Film", Contact Plating=Tin, Depth=0.8mm, Features="Automotive AEC-Q200", Height=0.022inch, Lead Free="Lead Free", Length=1.6mm, Military Standard=Not, Mount="Surface Mount", Number of Terminations=2, Packaging="Tape and Reel", Power Rating=100mW, REACH SVHC="No SVHC", Termination=SMD/SMT, Width=0.8mm
R3 R4: library part CMP-00060-1, "Res Thick Film 0603 33 Ohm 1% 1/10W +/-100ppm/ßC Molded SMD Paper T/R", Case Code (Imperial)=0603, Case Code (Metric)=1608, Max Operating Temperature=155°C, Max Power Dissipation=100mW, Min Operating Temperature=-55°C, Package Quantity=1, Resistance=33R, Temperature Coefficient=100ppm/°C, Tolerance=1%, Voltage Rating=75V, Voltage Rating (DC)=50V, Case/Package=0603, Composition="Thick Film", Depth=0.8mm, Features="Moisture Resistant", Height=0.45mm, Lead Free="Lead Free", Lead Pitch=0.3mm, Length=1.6mm, Military Standard=Not, Number of Pins=2, Number of Terminations=2, Packaging="Tape and Reel", Power Rating=100mW, REACH SVHC="No SVHC", Termination=SMD/SMT, Weight=7.1E-05oz, Width=0.8mm
R11 R14 R16: library part CMP-00069-1, "RES SMD 110 OHM 1% 1/10W 0603", Case Code (Imperial)=0603, Case Code (Metric)=1608, Max Operating Temperature=155°C, Max Power Dissipation=100mW, Min Operating Temperature=-55°C, Package Quantity=1, Resistance=110R, Temperature Coefficient=100ppm/°C, Tolerance=1%, Voltage Rating=50V, Working Voltage=75V, Case/Package=0603, Composition="Thick Film", Depth=0.8mm, Features="Moisture Resistant", Height=0.022inch, Lead Free="Lead Free", Length=1.6mm, Military Standard=Not, Number of Terminations=2, Packaging="Tape and Reel", Power Rating=100mW, Termination=SMD/SMT, Voltage Rating (DC)=50V, Width=0.031inch
R12: library part CMP-00067-2, "Res Thick Film 0603 330 Ohm 1% 0.1W(1/10W) +/-100ppm/ßC Pad SMD Automotive T/R", Case Code (Imperial)=0603, Case Code (Metric)=1608, Max Operating Temperature=155°C, Max Power Dissipation=100mW, Min Operating Temperature=-55°C, Package Quantity=10, Resistance=330R, Temperature Coefficient=100ppm/°C, Tolerance=1%, Voltage Rating=75V, Case/Package=0603, Composition="Thick Film", Contact Plating=Tin, Depth=0.85mm, Features="Automotive AEC-Q200", Height=0.45mm, Lead Free="Lead Free", Length=1.55mm, Military Standard=Not, Mount="Surface Mount", Number of Terminations=2, Packaging="Tape and Reel", Power Rating=100mW, Radiation Hardening=No, REACH SVHC=Unknown, Termination=SMD/SMT, Voltage Rating (DC)=75V, Weight=7.1E-05oz, Width=0.033inch
R13: library part "1kR, 1%, 1/10W , 0603, SMD", "1kR, 1%, 1/10W , 0603, SMD", Supplier Part Number 1=311-1.00KHRCT-ND, Created By="Andy Bates", Date Created=2017-05-10, Publisher=AUVic, Supplier 1=Digikey
"SD Card": library part CMP-2000-05248-1, "Micro SD Memory Card Connector, 0.5 A, 10 V (DC), -25 to 85 degC, 8-Pin SMT, RoHS, Tape and Reel", Manufacturer=Molex, Standard Package=1, 3D Model=502774-0891.stp, Card Type=SecureDigital-microSD™, Catalog Drawings=502774-0891, Category=Connectors,Interconnects, Connector Type=ConnectorandEjector, Contact Finish=Gold, Contact Finish Thickness=20µin(0.51µm), Datasheet URL=https://datasheet.ciiva.com/1104/1499551-1104671.pdf, Datasheet Version="Rev. D, 04/2004", Ejector Side=-, Family=MemoryConnectors-PCCardSockets, Features=Switch, Height Above Board="0.071\"(1.80mm)", Insertion, Removal Method=PushIn,PushOut, Manufacturer URL=http://www.molex.com/, Mounting Feature=Reverse-Bottom, Mounting Type=SurfaceMount,RightAngle, Number of Positions=10(8+2), Online Catalog=microSD™Series, Other Names=WM24066DKR, Packaging=Digi-Reel, RoHS Information=502774-0891CertofCompliance, Series=502774
"ST link DEBUG": library part CMP-00011-6, "CONN HEADER VERT 10POS 2.54MM", Color=Black, Package Quantity=1, Connector Type="Male Pin", Contact Plating=Gold, Lead Free="Lead Free", Mount="Through Hole", Number of Positions=10, Number of Rows=2, Packaging=Tray, Pitch=0.1inch, Row Spacing=0.1inch, Termination=Solder
TVS1 TVS2: "TVS DIODE 36V 60V SOT23", Supplier Part Number 1=1727-5397-1-ND, Created By="Miguel Manguerra", Date Created=2020-05-18, Supplier 1=Digi-Key
U1: library part CMP-0326-00011-3, "Low-Capacitance + / - 15 kV ESD Protection Array for High-Speed Data Interfaces, 6 Channels, -40 to +85 degC, 10-pin UQFN (RSE), Green (RoHS & no Sb/Br)", Breakdown Voltage(Min)(V)=11, IO Capacitance(Typ)(pF)=1.5, IO Leakage Current(nA)=1, Manufacturer="Texas Instruments", 1394 / Firewire=TRUE, ComponentLink1Description="Manufacturer URL", ComponentLink1URL=http://www.ti.com/, ComponentLink2Description=Datasheet, ComponentLink2URL=http://www.ti.com/general/docs/lit/getliterature.tsp?genericPartNumber=TPD6E001&fileType=pdf, ComponentLink3Description="URL Link1", ComponentLink3URL=SamplesURL:http://www.ti.com/product/tpd6e001#samples, DatasheetVersion=SLLS685C, Eco-Plan="Green (RoHS & no Sb/Br)", IEC 61000-4-2 Air-Gap(+/- kV)=15, IEC 61000-4-2 Contact(+/- kV)=8, Mounting Technology="Surface Mount", PackageDescription="10-Leads Plastic Quad Flatpack No-Lead, 2 x 1.5 x 0.55 mm Body, 0.5 mm Pitch", PackageReference=RSE0010A, PackageVersion="revD, Jan-2011", PartNumber=TPD6E001RSER, Serial ATA / eSATA=TRUE, SubFamily="ESD Solution", USB High Speed=TRUE
U2: library part CMP-00008-1, "MCU 32-bit STM32F ARM Cortex M4 RISC 1024KB Flash 2.5V/3.3V 100-Pin LQFP Tray", Case/Package=LQFP, Frequency=180MHz, Max Operating Temperature=85°C, Max Power Dissipation=465mW, Max Supply Voltage=3.6V, Min Operating Temperature=-40°C, Min Supply Voltage=1.8V, Package Quantity=540, Core Architecture=ARM, Data Bus Width=32b, Height=1.45mm, Interface=I2C,SPI,USB,CAN,IrDA,UART,USART,LIN,EBI/EMI,SDIO,Ethernet,I2S, Lead Free="Lead Free", Length=14.2mm, Max Frequency=180MHz, Memory Size=1MB, Memory Type=FLASH, Number of ADC Channels=24, Number of Ethernet Channels=1, Number of I2C Channels=3, Number of I/Os=82, Number of Pins=100, Number of Programmable I/O=82, Number of SPI Channels=6, Number of Timers/Counters=14, Number of UART Channels=4, Number of USB Channels=2, Oscillator Type=Internal, Packaging=Tray, Peripherals="Brown-out Detect/Reset,POR,PWM,WDT,DMA,LCD", Radiation Hardening=No, RAM Size=256KB, REACH SVHC="No SVHC", Watchdog Timer=Yes, Width=14.2mm
U3: library part CMP-044-0002-1, "500-mA, high-PSRR, low-IQ, low-dropout voltage regulator with enable 5-SOT-23 -40 to 125", Case/Package=SOT-23-5, Dropout Voltage=238mV, Max Input Voltage=5.5V, Max Operating Temperature=125°C, Max Output Voltage=3.3V, Min Operating Temperature=-40°C, Output Current=500mA, Power Supply Rejection Ratio (PSRR)=52dB, Quiescent Current=31uA, Min Output Voltage=3.3V, Mount="Surface Mount", Number of Regulators=1, Output Configuration=Positive, Output Type=Fixed, Packaging="Cut Tape"
U4: library part CMP-032-0000-2, "1/1 Transceiver Half CANbus 8-SO", Case/Package=SO, Max Operating Temperature=150°C, Max Supply Current=70mA, Max Supply Voltage=5.5V, Min Operating Temperature=-40°C, Min Supply Voltage=4.5V, Package Quantity=2500, Contact Plating=Gold, Data Rate=1Mbps, Interface=CAN, Lead Free="Lead Free", Mount="Surface Mount", Nominal Supply Current=70mA, Number of Pins=8, Number of Transceivers=1, Packaging="Tape and Reel", Propagation Delay=250ns, Radiation Hardening=No, Turn-On Delay Time=250ns
X1: library part CMP-00079-3, "8MHz ±30ppm Crystal 16pF 80 Ohms 4-SMD, No Lead", Case/Package=CSMD, ESR (Equivalent Series Resistance)=80R, Frequency=8MHz, Frequency Stability=50ppm, Load Capacitance=16pF, Max Operating Temperature=70°C, Min Operating Temperature=-20°C, Depth=5.2mm, Length=7.5mm, Number of Pins=4, Packaging="Tape and Reel"

## Via types
v1: diameter 0.6, hole 0.3, Top Layer to Bottom Layer, tented both sides, 178 vias
v2: diameter 0.6, hole 0.3, Top Layer to Bottom Layer, 3 vias
v3: diameter 2, hole 1, Top Layer to Bottom Layer, tented both sides, 1 vias